# KiCad board URC.kicad_pcb
title: Universal Robot Controller; date: 2026-06-16; rev: 1.0; company: Spikonado; note: https://cern.ch/cern-oh; note: Licensed under CERN-OHL-W v2
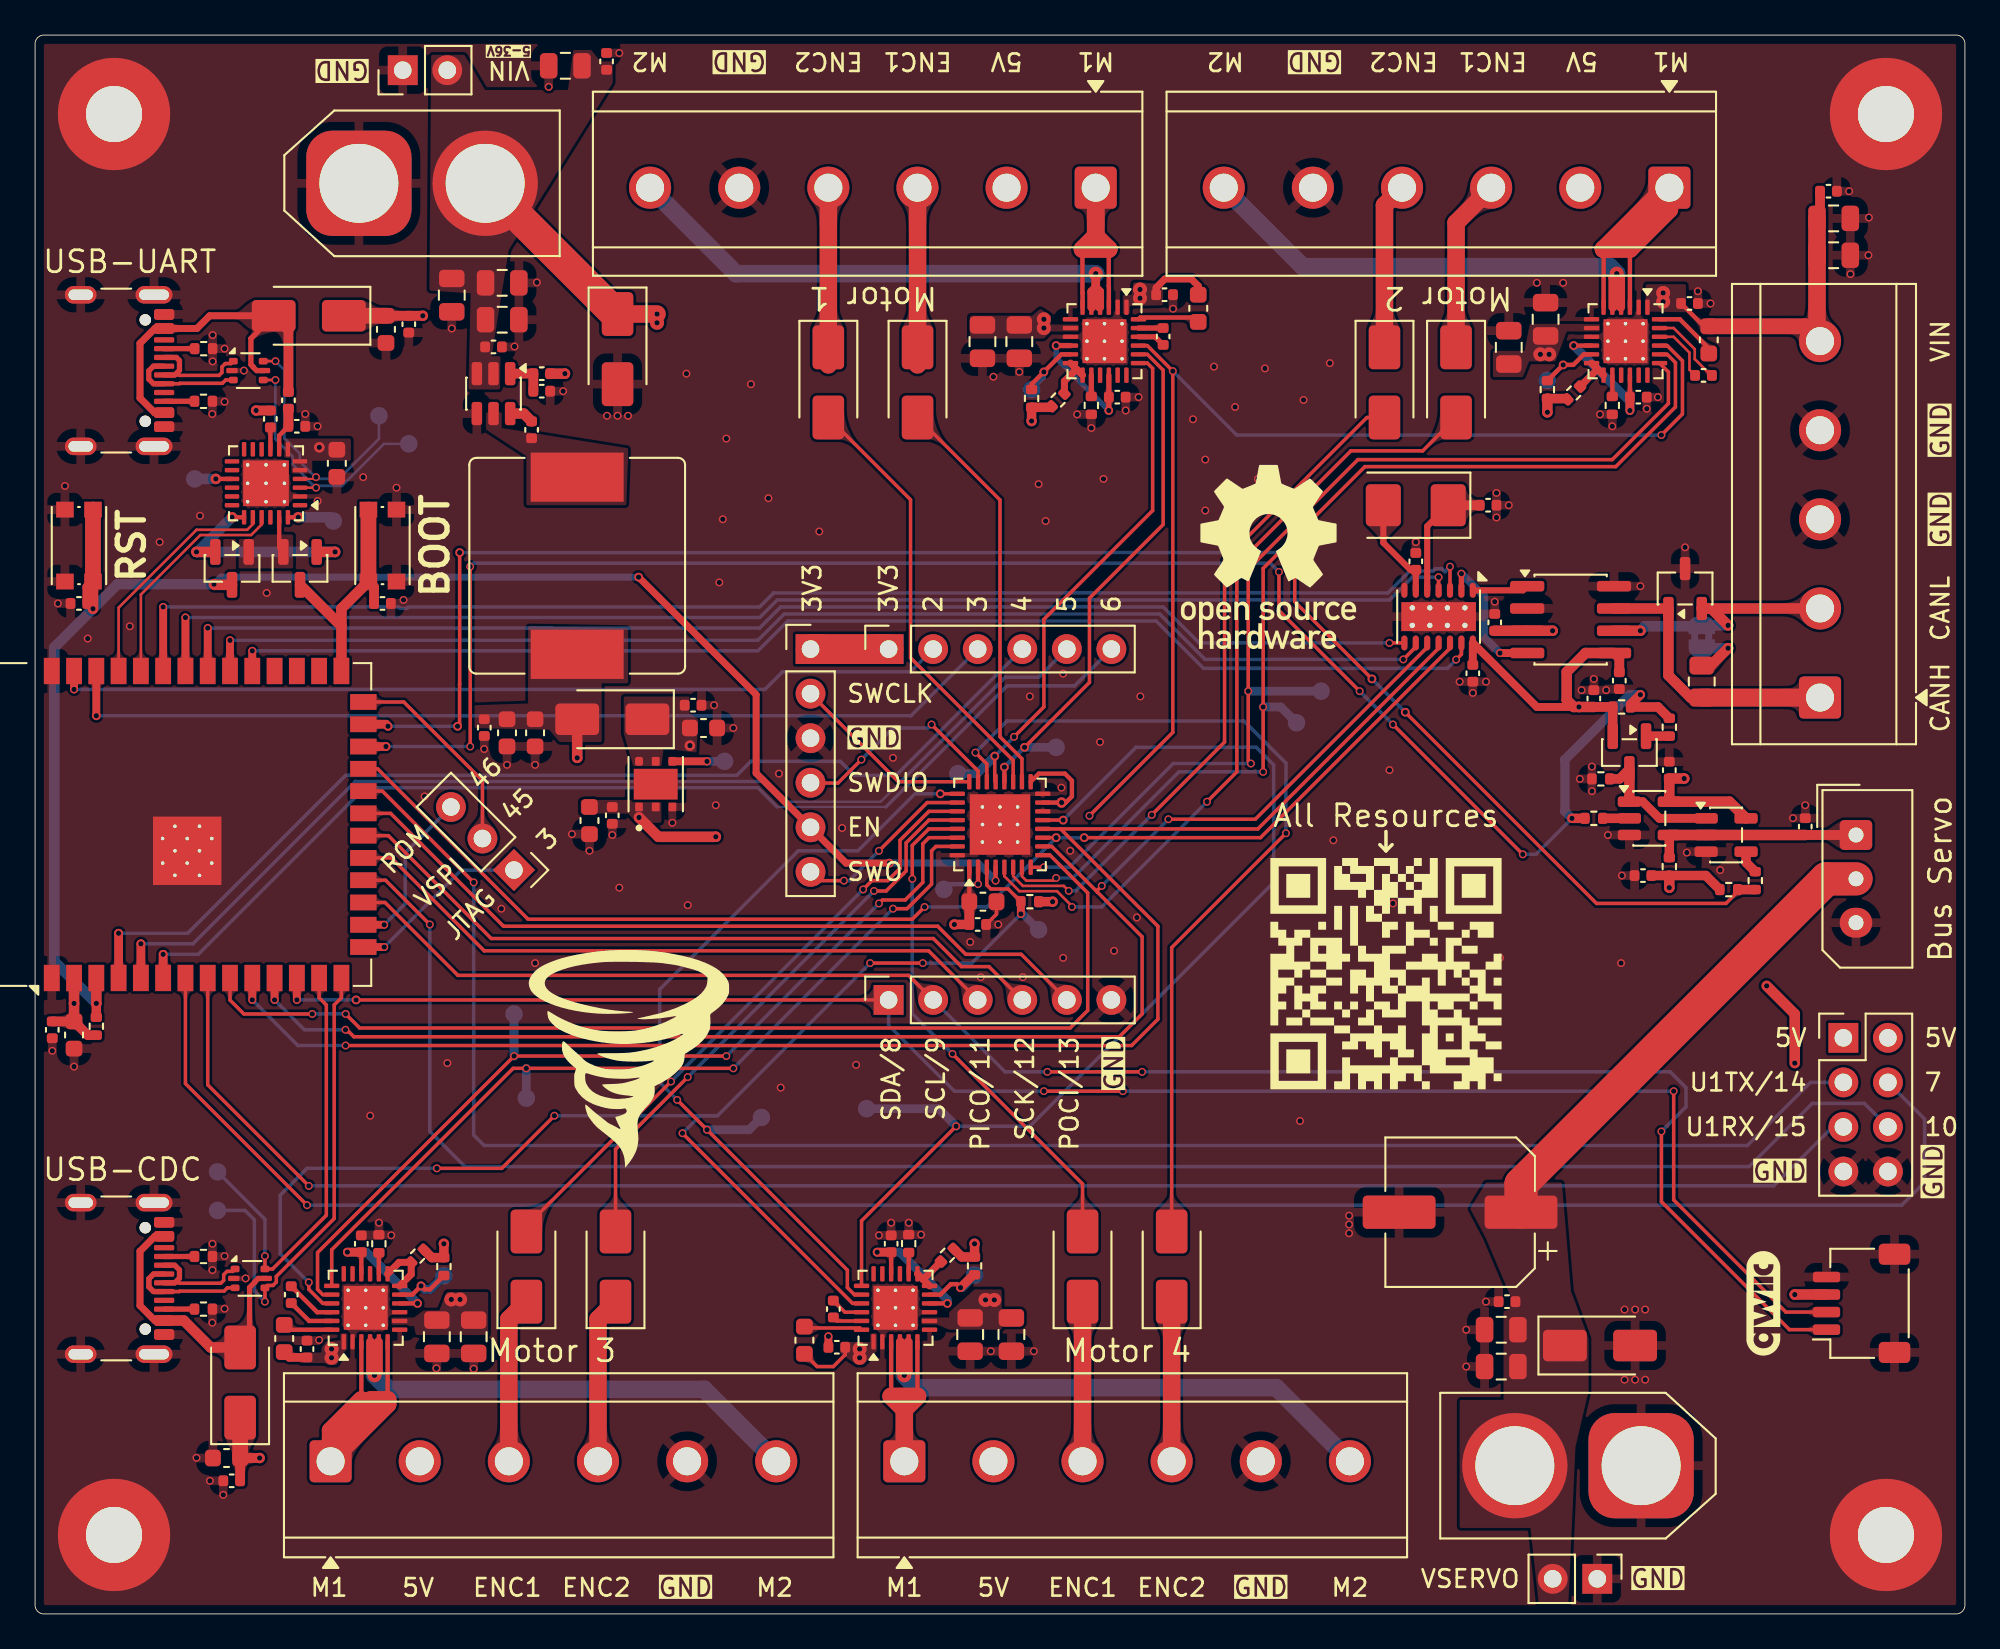
[diagram p0: board, top side]
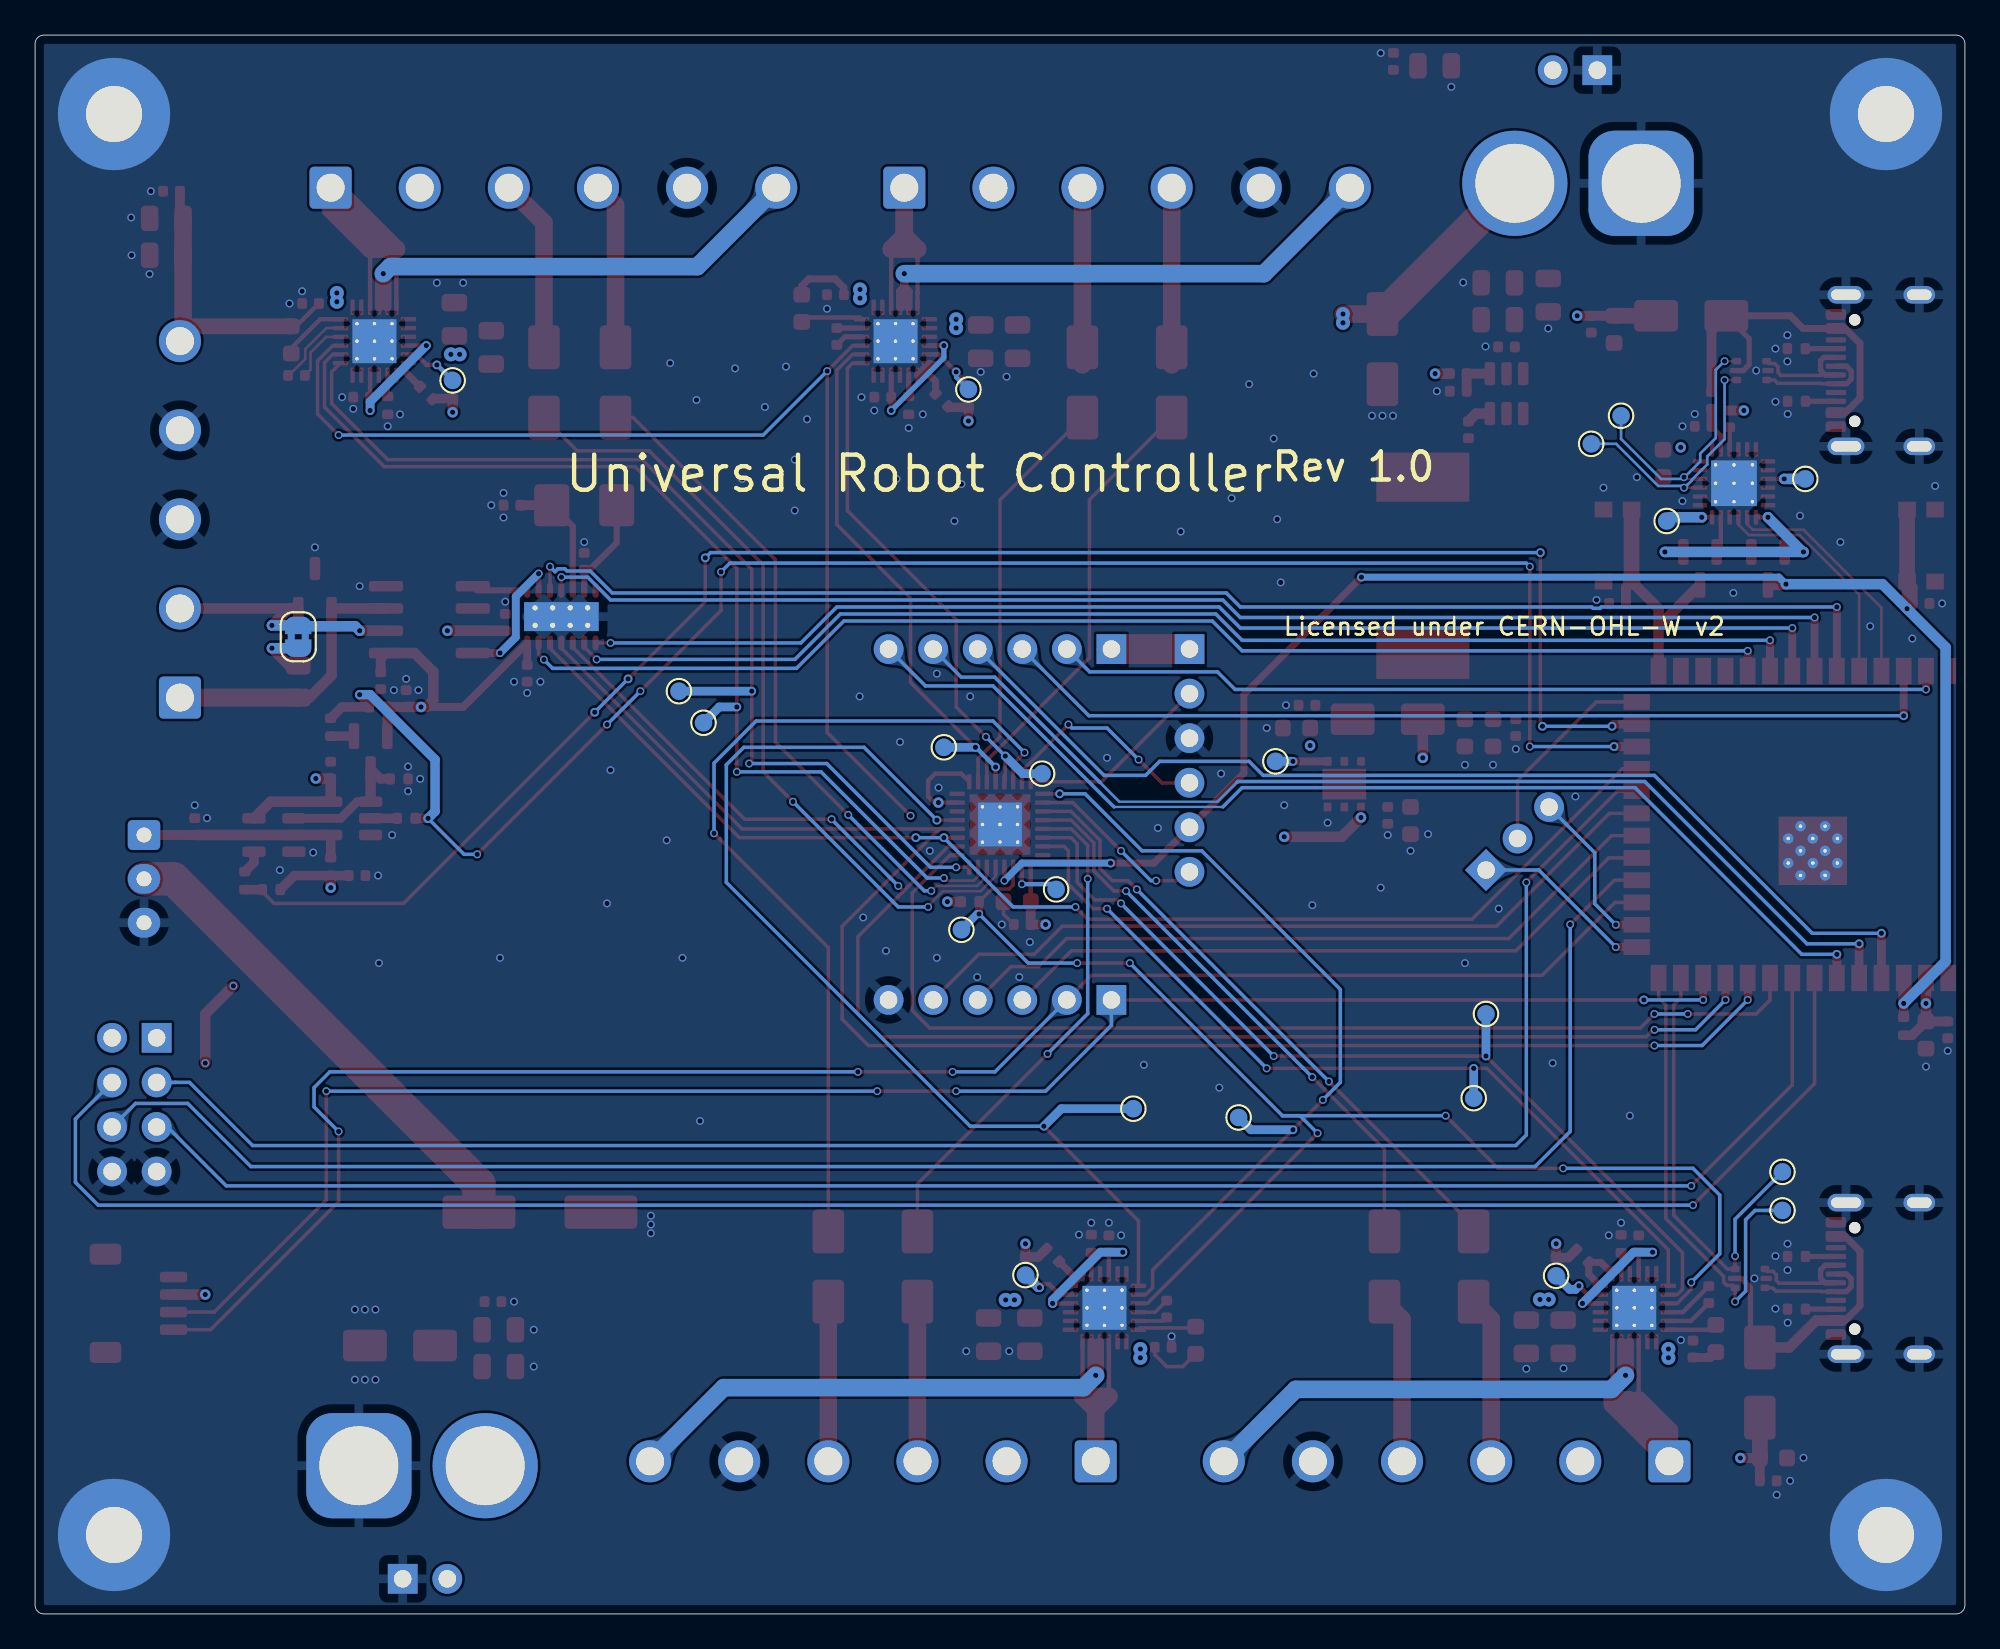
[diagram p1: board, bottom side, seen from below]

Outline 110 x 90 mm; copper layers: Top, In1.Cu, In2.Cu, Bottom. Coordinates in mm from the lower left corner of the outline.
Outline path: rectangle 0,90 110,0
Stack: Top 0.035mm / dielectric 0.1mm FR4 er 4.5 / In1.Cu 0.035mm / dielectric 1.24mm FR4 er 4.5 / In2.Cu 0.035mm / dielectric 0.1mm FR4 er 4.5 / Bottom 0.035mm

## Placement (name value [footprint] x y rotation side)
C1  10µF, 16V  [C_0603_1608Metric]  10.91 8.89 180 top
C2  100nF, 16V  [C_0402_1005Metric]  11.21 7.59 180 top
C3  10µF, 16V  [C_0603_1608Metric]  20 73.22 270 top
C4  100nF, 16V  [C_0402_1005Metric]  21.3 73.52 270 top
C5  10µF, 16V  [C_0603_1608Metric]  17.2 65.59 270 top
C6  10µF, 16V  [C_0603_1608Metric]  2.22 33 270 top
C7  100nF, 16V  [C_0402_1005Metric]  0.98 33.3 270 top
C8  100nF, 16V  [C_0402_1005Metric]  2.5 57.6 0 top
C9  100nF, 16V  [C_0402_1005Metric]  19.8 57.6 180 top
C10  4.7µF, 50V  [C_0805_2012Metric]  26.62 75.88 0 top
C11  4.7µF, 50V  [C_0805_2012Metric]  26.62 73.78 0 top
C12  100nF, 50V  [C_0402_1005Metric]  26.13 72.22 0 top
C13  100nF, 16V  [C_0402_1005Metric]  28.3 67.5 270 top
C14  10µF, 16V  [C_0603_1608Metric]  28.5 50.22 270 top
C15  10µF, 16V  [C_0603_1608Metric]  26.9 50.22 270 top
C16  100nF, 16V  [C_0402_1005Metric]  25.61 50.53 270 top
C17  10µF, 16V  [C_0603_1608Metric]  38.1 50.5 0 top
C18  10µF, 16V  [C_0603_1608Metric]  31.6 45.22 270 top
C19  100nF, 16V  [C_0402_1005Metric]  93.15 48.1 90 top
C20  100nF, 16V  [C_0402_1005Metric]  91.65 42.09 180 top
C21  10µF, 50V  [C_0805_2012Metric]  23.75 75.17 270 top
C22  10µF, 50V  [C_0805_2012Metric]  30.22 88.25 180 top
C23  100nF, 50V  [C_0402_1005Metric]  32.58 88.5 90 top
C24  10µF, 50V  [C_0805_2012Metric]  83.57 16.2 180 top
C25  10µF, 50V  [C_0805_2012Metric]  83.57 14.1 180 top
C26  100nF, 50V  [C_0402_1005Metric]  83.9 17.8 180 top
C27  470pF, 50V  [C_0402_1005Metric]  100.9 44.88 90 top
C28  100µF  [CP_Elec_8x6.9]  81.22 22.9 180 top
C29  100nF, 16V  [C_0402_1005Metric]  81.95 53.62 270 top
C30  10pF, 1%  [C_0402_1005Metric]  82.82 63.2 0 top
C31  10pF, 1%  [C_0402_1005Metric]  78.7 60 270 top
C32  100nF, 16V  [C_0402_1005Metric]  90.3 53.2 270 top
C33  100nF, 16V  [C_0402_1005Metric]  83.2 56.53 90 top
C34  10µF, 50V  [C_0805_2012Metric]  102.52 79.55 0 top
C35  10µF, 50V  [C_0805_2012Metric]  102.52 77.45 0 top
C36  100nF, 50V  [C_0402_1005Metric]  102.22 81.1 0 top
C37  100nF, 16V  [C_0402_1005Metric]  53.73 39.3 0 top
C38  10µF, 16V  [C_0603_1608Metric]  54.03 40.6 0 top
C39  22nF, 50V  [C_0402_1005Metric]  64.3 72.82 90 top
C40  220nF, 16V  [C_0603_1608Metric]  66.3 74.42 90 top
C41  100nF, 50V  [C_0402_1005Metric]  64.38 75.2 0 top
C42  10µF, 50V  [C_0805_2012Metric]  56.1 72.53 270 top
C43  10µF, 50V  [C_0805_2012Metric]  54 72.53 270 top
C44  470nF, 10V  [C_0402_1005Metric]  61.69 69.36 0 top
C45  10µF, 50V  [C_0805_2012Metric]  86.1 73.8 90 top
C46  10µF, 50V  [C_0805_2012Metric]  84 72.2 90 top
C47  100nF, 50V  [C_0402_1005Metric]  94.3 74.7 0 top
C48  22nF, 50V  [C_0402_1005Metric]  95.1 70.6 0 top
C49  220nF, 16V  [C_0603_1608Metric]  95.4 72.62 90 top
C50  470nF, 10V  [C_0402_1005Metric]  91.38 69.36 0 top
C51  10µF, 50V  [C_0805_2012Metric]  25 15.8 270 top
C52  10µF, 50V  [C_0805_2012Metric]  22.9 15.8 270 top
C53  100nF, 50V  [C_0402_1005Metric]  15.5 15.1 90 top
C54  22nF, 50V  [C_0402_1005Metric]  14.6 18.2 270 top
C55  220nF, 16V  [C_0603_1608Metric]  14.2 15.7 270 top
C56  470nF, 10V  [C_0402_1005Metric]  18.59 21.1 90 top
C57  10µF, 50V  [C_0805_2012Metric]  53.3 15.93 270 top
C58  10µF, 50V  [C_0805_2012Metric]  55.65 15.93 270 top
C59  100nF, 50V  [C_0402_1005Metric]  45.7 15.2 180 top
C60  22nF, 50V  [C_0402_1005Metric]  45.5 17.38 270 top
C61  220nF, 16V  [C_0603_1608Metric]  43.85 15.6 270 top
C62  470nF, 10V  [C_0402_1005Metric]  48.79 21.1 90 top
C63  100nF, 16V  [C_0402_1005Metric]  37.5 51.8 0 top
C64  100nF, 16V  [C_0402_1005Metric]  32.9 45.52 270 top
C65  100nF, 16V  [C_0402_1005Metric]  88.85 52.18 90 top
D1  SS14  [D_SMA]  11.69 13.19 90 top
D2  SS14  [D_SMA]  15.6 74 180 top
D3  SS14  [D_SMA]  32.9 51 180 top
D5  SS14  [D_SMA]  33.2 72.1 270 top
D6  D_TVS_Dual_AAC  [SOT-23-3]  94.05 58.45 90 top
D7  SS14  [D_SMA]  50.3 70.2 270 top
D8  SS14  [D_SMA]  45.22 70.2 270 top
D9  SS14  [D_SMA]  81 70.2 270 top
D10  SS14  [D_SMA]  76.91 70.2 270 top
D11  SS14  [D_SMA]  28 19.8 90 top
D12  SS14  [D_SMA]  33.09 19.8 90 top
D13  SS14  [D_SMA]  59.71 19.8 90 top
D14  SS14  [D_SMA]  64.78 19.8 90 top
D16  SS14  [D_SMA]  89.2 15.3 0 top
G***  -  [LOGO]  70.3 60.25 0 top
G***#2  LOGO  [qwiic_6mm]  98.5 17.7 90 top
G***#3  -  [LOGO]  77 36.5 0 top
G***#4  -  [LOGO]  33.78 31.6 0 top
H1  MountingHole_Pad  [MountingHole_3.2mm_M3_Pad]  4.5 85.5 0 top
H2  MountingHole_Pad  [MountingHole_3.2mm_M3_Pad]  105.5 85.5 0 top
H3  MountingHole_Pad  [MountingHole_3.2mm_M3_Pad]  4.5 4.5 0 top
H4  MountingHole_Pad  [MountingHole_3.2mm_M3_Pad]  105.5 4.5 0 top
J1  USB_C_Receptacle_USB2.0_16P  [USB_C_Receptacle_GCT_USB4105-xx-A_16P_TopMnt_Horizontal]  3.67 19.12 270 top
J2  USB_C_Receptacle_USB2.0_16P  [USB_C_Receptacle_GCT_USB4105-xx-A_16P_TopMnt_Horizontal]  3.67 70.88 270 top
J3  Conn_01x02_Socket  [AMASS_XT60-M_1x02_P7.20mm_Vertical]  18.45 81.55 0 top
J4  Conn_01x02_Socket  [PinHeader_1x02_P2.54mm_Vertical]  20.95 88 90 top
J5  Conn_01x02_Socket  [PinHeader_1x02_P2.54mm_Vertical]  89.04 2 270 top
J6  Conn_01x02_Socket  [AMASS_XT60-M_1x02_P7.20mm_Vertical]  91.54 8.45 180 top
J7  5267-03A  [Molex_SPOX_5267-03A_1x03_P2.50mm_Vertical]  103.79 44.4 270 top
J8  Screw_Terminal_01x05  [TerminalBlock_CUI_TB007-508-05_1x05_P5.08mm_Horizontal]  101.74 52.23 90 top
J9  Conn_01x06_Pin  [PinHeader_1x06_P2.54mm_Vertical]  44.2 55 0 top
J10  Screw_Terminal_01x06  [TerminalBlock_CUI_TB007-508-06_1x06_P5.08mm_Horizontal]  60.46 81.3 180 top
J11  Screw_Terminal_01x06  [TerminalBlock_CUI_TB007-508-06_1x06_P5.08mm_Horizontal]  93.16 81.3 180 top
J12  Screw_Terminal_01x06  [TerminalBlock_CUI_TB007-508-06_1x06_P5.08mm_Horizontal]  16.84 8.7 0 top
J13  Screw_Terminal_01x06  [TerminalBlock_CUI_TB007-508-06_1x06_P5.08mm_Horizontal]  49.54 8.7 0 top
J14  Conn_02x04_Odd_Even  [PinHeader_2x04_P2.54mm_Vertical]  103.07 32.84 0 top
J15  Conn_01x04_MountingPin  [JST_SH_SM04B-SRSS-TB_1x04-1MP_P1.00mm_Horizontal]  104.11 17.7 90 top
J16  Conn_01x06_Socket  [PinSocket_1x06_P2.54mm_Vertical]  48.65 55 90 top
J17  Conn_01x06_Socket  [PinSocket_1x06_P2.54mm_Vertical]  48.65 35 90 top
J18  Conn_01x03_Pin  [PinHeader_1x03_P2.54mm_Vertical]  27.3 42.4 225 top
JP1  SolderJumper_2_Bridged  [SolderJumper-2_P1.3mm_Bridged2Bar_RoundedPad1.0x1.5mm]  95 55.7 270 bottom
L1  3.3 µH  [L_Bourns_SRR1210A]  30.9 59.75 270 top
Q1  MMBT3904  [SOT-23]  11.22 59.6 270 top
Q2  MMBT3904  [SOT-23]  15.1 59.6 270 top
Q3  MMBT3906LT1G  [SOT-23]  90.88 49.1 270 top
R1  5.1 kΩ, 0.1%  [R_0402_1005Metric]  9.6 20.38 180 top
R2  5.1 kΩ, 0.1%  [R_0402_1005Metric]  9.6 17.38 180 top
R3  5.1 kΩ, 0.1%  [R_0402_1005Metric]  9.61 72.12 180 top
R4  5.1 kΩ, 0.1%  [R_0402_1005Metric]  9.6 69.12 180 top
R5  1 kΩ, 5%  [C_0402_1005Metric]  13.41 68.12 270 top
R6  22.1 kΩ, 1%  [C_0402_1005Metric]  14.44 69.18 270 top
R7  47.5 kΩ, 1%  [C_0402_1005Metric]  14.92 67.7 0 top
R8  10kΩ, 5%  [R_0402_1005Metric]  3.49 33.5 270 top
R9  100kΩ, 0.1%  [C_0402_1005Metric]  28.88 70.7 180 top
R10  19.1 kΩ, 0.1%  [C_0402_1005Metric]  28.88 69.7 0 top
R11  10kΩ, 5%  [R_0402_1005Metric]  93.15 42.6 270 top
R12  10kΩ, 5%  [R_0402_1005Metric]  93.15 50.55 270 top
R13  20kΩ, 5%  [R_0402_1005Metric]  89.25 47.6 180 top
R14  100Ω, 5%  [R_0402_1005Metric]  98.05 41.8 90 top
R15  10kΩ, 5%  [R_0402_1005Metric]  96.54 41.29 180 top
R16  100Ω, 5%  [R_0402_1005Metric]  88.85 45.35 180 top
R17  10kΩ, 5%  [R_0402_1005Metric]  90.44 51.7 180 top
R18  120Ω, 5%  [R_0805_2012Metric]  95 53.15 90 top
R19  10kΩ, 5%  [R_0402_1005Metric]  56.8 69.29 270 top
R20  10kΩ, 5%  [R_0402_1005Metric]  58.31 69.2 225 top
R21  330kΩ, 5%  [R_0402_1005Metric]  60.21 68.89 90 top
R22  330kΩ, 5%  [R_0402_1005Metric]  89.9 68.89 90 top
R23  10kΩ, 5%  [R_0402_1005Metric]  86.2 69.79 270 top
R24  10kΩ, 5%  [R_0402_1005Metric]  87.7 69.6 225 top
R25  330kΩ, 5%  [R_0402_1005Metric]  19.59 21.1 270 top
R26  10kΩ, 5%  [R_0402_1005Metric]  23.3 19.8 90 top
R27  10kΩ, 5%  [R_0402_1005Metric]  21.8 20.4 45 top
R28  330kΩ, 5%  [R_0402_1005Metric]  49.79 21.11 270 top
R29  10kΩ, 5%  [R_0402_1005Metric]  53.55 19.84 90 top
R30  10kΩ, 5%  [R_0402_1005Metric]  52 20.45 45 top
R31  10kΩ, 5%  [R_0402_1005Metric]  56.7 40.6 0 top
SW1  SW_Push  [SW_Push_1P1T_NO_CK_KMR2]  2.5 60.9 90 top
SW2  SW_Push  [SW_Push_1P1T_NO_CK_KMR2]  19.8 60.9 270 top
TP1  TestPoint  [TestPoint_Pad_D1.0mm]  9.1 64.7 180 bottom
TP2  TestPoint  [TestPoint_Pad_D1.0mm]  17 62.3 180 bottom
TP3  TestPoint  [TestPoint_Pad_D1.0mm]  10.4 25.2 180 bottom
TP4  TestPoint  [TestPoint_Pad_D1.0mm]  10.4 23 180 bottom
TP5  TestPoint  [TestPoint_Pad_D1.0mm]  19.6 68.3 180 bottom
TP6  TestPoint  [TestPoint_Pad_D1.0mm]  21.3 66.7 180 bottom
TP7  TestPoint  [TestPoint_Pad_D1.0mm]  39.3 48.6 180 bottom
TP9  TestPoint  [TestPoint_Pad_D1.0mm]  57.2 39 180 bottom
TP10  TestPoint  [TestPoint_Pad_D1.0mm]  51.8 41.3 180 bottom
TP11  TestPoint  [TestPoint_Pad_D1.0mm]  58.2 49.4 180 bottom
TP12  TestPoint  [TestPoint_Pad_D1.0mm]  52.6 47.9 180 bottom
TP13  TestPoint  [TestPoint_Pad_D1.0mm]  71.9 50.8 180 bottom
TP14  TestPoint  [TestPoint_Pad_D1.0mm]  56.8 69.8 180 bottom
TP15  TestPoint  [TestPoint_Pad_D1.0mm]  86.2 70.31 180 bottom
TP16  TestPoint  [TestPoint_Pad_D1.0mm]  23.3 19.28 180 bottom
TP17  TestPoint  [TestPoint_Pad_D1.0mm]  53.55 19.31 180 bottom
TP18  TestPoint  [TestPoint_Pad_D1.0mm]  73.3 52.6 180 bottom
TP19  TestPoint  [TestPoint_Pad_D1.0mm]  27.3 34.2 180 bottom
TP20  TestPoint  [TestPoint_Pad_D1.0mm]  28 29.4 180 bottom
TP21  TestPoint  [TestPoint_Pad_D1.0mm]  41.4 28.3 180 bottom
TP22  TestPoint  [TestPoint_Pad_D1.0mm]  47.4 28.8 180 bottom
U1  USBLC6-2P6  [SOT-666]  12.25 19.13 0 top
U2  USBLC6-2P6  [SOT-666]  12.15 70.88 0 top
U3  CP2102N-A02-GQFN24  [QFN-24-1EP_4x4mm_P0.5mm_EP2.6x2.6mm_ThermalVias]  13.16 64.45 180 top
U4  -  [ESP32-S3-WROOM-1]  6.21 45 90 top
U5  LMR51635YDDCR  [TSOT-23-6]  26.13 69.56 270 top
U6  -  [LD39200PU33R]  35.38 47.3 90 top
U7  SN74LVC1G125DBV  [SOT-23-5]  96.39 44.4 0 top
U8  SN74LVC1G126DBV  [SOT-23-5]  92.01 45.35 0 top
U9  MCP2518FD-xQBB  [DFN-14-1EP_3x4.5mm_P0.65mm_EP1.65x4.25mm_ThermalVias]  80 56.85 270 top
U10  MCP2562-E-SN  [SOIC-8_3.9x4.9mm_P1.27mm]  87.53 56.68 0 top
U11  STM32G431KBU6  [QFN-32-1EP_5x5mm_P0.5mm_EP3.45x3.45mm_ThermalVias]  55 45 90 top
U12  DRV8256PRGER  [VQFN-24-1EP_4x4mm_P0.5mm_EP2.5x2.5mm_ThermalVias]  60.96 72.55 270 top
U13  DRV8256PRGER  [VQFN-24-1EP_4x4mm_P0.5mm_EP2.5x2.5mm_ThermalVias]  90.66 72.55 270 top
U14  DRV8256PRGER  [VQFN-24-1EP_4x4mm_P0.5mm_EP2.5x2.5mm_ThermalVias]  18.84 17.45 90 top
U15  DRV8256PRGER  [VQFN-24-1EP_4x4mm_P0.5mm_EP2.5x2.5mm_ThermalVias]  49.04 17.45 90 top
Y1  40 MHz  [Crystal_SMD_5032-2Pin_5.0x3.2mm]  78.7 63.2 180 top

## Library data of the parts
C1 C3 C5 C6 C14 C15 C17 C18 C38 = -: Datasheet: https://search.murata.co.jp/Ceramy/image/img/A01X/G101/ENG/GRT188R61C106KE13-01.pdf; Description: Unpolarized capacitor; KiLib_Generator: SMD_2terminal_chip_molded; Manufacturer: Murata Electronics; MPN: GRT188R61C106KE13D; ki_fp_filters: C_*
C2 C4 C7-C9 C13 C16 C19 C20 C29 C32 C33 C37 C63-C65 = -: Datasheet: https://weblib.samsungsem.com/mlcc/mlcc-ec-data-sheet.do?partNumber=CL05B104KO5NNN; Description: Unpolarized capacitor; KiLib_Generator: SMD_2terminal_chip_molded; Manufacturer: Samsung Electro-Mechanics; MPN: CL05B104KO5NNNC; ki_fp_filters: C_*
C10 C11 = -: Datasheet: https://search.murata.co.jp/Ceramy/image/img/A01X/G101/ENG/GRT21BR61H475KE13-01.pdf; Description: Unpolarized capacitor; KiLib_Generator: SMD_2terminal_chip_molded; Manufacturer: Murata Electronics; MPN: GRT21BR61H475KE13L; ki_fp_filters: C_*
C12 C23 C26 C36 C41 C47 C53 C59 = -: Datasheet: https://search.murata.co.jp/Ceramy/image/img/A01X/G101/ENG/GRM155R61H104KE14-01.pdf; Description: Unpolarized capacitor; KiLib_Generator: SMD_2terminal_chip_molded; Manufacturer: Murata Electronics; MPN: GRM155R61H104KE14D; ki_fp_filters: C_*
C21 C22 C24 C25 C34 C35 C42 C43 C45 C46 C51 C52 C57 C58 = -: Datasheet: https://search.murata.co.jp/Ceramy/image/img/A01X/G101/ENG/GRM21BR61H106KE43-01A.pdf; Description: Unpolarized capacitor; KiLib_Generator: SMD_2terminal_chip_molded; Manufacturer: Murata Electronics; MPN: GRM21BR61H106KE43L; ki_fp_filters: C_*
C27 = -: Datasheet: https://yageogroup.com/content/datasheet/asset/file/UPY-GPHC_X7R_6_3V-TO-250V; Description: Unpolarized capacitor; KiLib_Generator: SMD_2terminal_chip_molded; Manufacturer: YAGEO; MPN: CC0402KRX7R9BB471; ki_fp_filters: C_*
C28 = -: Datasheet: https://yageogroup.com/content/datasheet/asset/file/KEM_A4088_A768; Description: Polarized capacitor; KiLib_Generator: capacitor/SMD/elec_round_polarized; Manufacturer: KEMET; MPN: A768KE107M1VLAS036; ki_fp_filters: CP_*
C30 C31 = -: Datasheet: https://search.murata.co.jp/Ceramy/image/img/A01X/G101/ENG/GRT1555C1H100FA02-01.pdf; Description: Unpolarized capacitor; KiLib_Generator: SMD_2terminal_chip_molded; Manufacturer: Murata Electronics; MPN: GRT1555C1H100FA02D; ki_fp_filters: C_*
C39 C48 C54 C60 = -: Datasheet: https://search.murata.co.jp/Ceramy/image/img/A01X/G101/ENG/GRM155R71H223JA12-01A.pdf; Description: Unpolarized capacitor; KiLib_Generator: SMD_2terminal_chip_molded; Manufacturer: Murata Electronics; MPN: GRM155R71H223JA12D; ki_fp_filters: C_*
C40 C49 C55 C61 = -: Datasheet: https://mm.digikey.com/Volume0/opasdata/d220001/medias/docus/920/CL10B224KO8NNNC_Spec.pdf; Description: Unpolarized capacitor; KiLib_Generator: SMD_2terminal_chip_molded; Manufacturer: Samsung Electro-Mechanics; MPN: CL10B224KO8NNNC; ki_fp_filters: C_*
C44 C50 C56 C62 = -: Datasheet: https://search.murata.co.jp/Ceramy/image/img/A01X/G101/ENG/GRM155R71A474KE01-01.pdf; Description: Unpolarized capacitor; KiLib_Generator: SMD_2terminal_chip_molded; Manufacturer: Murata Electronics; MPN: GRM155R71A474KE01D; ki_fp_filters: C_*
D1-D3 D5 D7-D14 D16 = -: Datasheet: https://www.onsemi.com/pdf/datasheet/ss19-d.pdf; Description: Schottky diode; Manufacturer: onsemi; ki_fp_filters: TO-???* *_Diode_* *SingleDiode* D_*
D6 = -: Datasheet: https://www.onsemi.com/pdf/datasheet/nup2105l-d.pdf; Description: Bidirectional dual transient-voltage-suppression diode, center on pin 3; KiLib_Generator: package/gullwing; Manufacturer: onsemi; MPN: NUP2105LT1G
H1-H4 = -: Description: Mounting Hole with connection; KiLib_Generator: mounting_hardware/mounting_hole; ki_fp_filters: MountingHole*Pad*
J1 J2 = -: Datasheet: https://gct.co/files/specs/usb4105-spec.pdf; Description: USB 2.0-only 16P Type-C Receptacle connector; Manufacturer: GCT; MPN: USB4105-GF-A; ki_fp_filters: USB*C*Receptacle*
J3 J6 = -: Description: Generic connector, single row, 01x02, script generated; Manufacturer: Changzhou Amass Elec; MPN: XT60-M; ki_fp_filters: Connector*:*_1x??_*
J4 J5 = -: Datasheet: https://suddendocs.samtec.com/catalog_english/td.pdf; Description: Generic connector, single row, 01x02, script generated; KiLib_Generator: connector/pin_header_socket; Manufacturer: Samtec Inc.; MPN: TS-102-T-A; ki_fp_filters: Connector*:*_1x??_*
J7 = -: Datasheet: https://www.molex.com/en-us/products/part-detail-pdf/22035035?display=pdf; Description: Generic connector, single row, 01x03, script generated; KiLib_Generator: connector/Molex; Manufacturer: Molex; MPN: 22-03-5035; ki_fp_filters: Connector*:*_1x??_*
J8 = -: Datasheet: https://www.sameskydevices.com/product/resource/tb007-508.pdf; Description: Generic screw terminal, single row, 01x05, script generated (kicad-library-utils/schlib/autogen/connector/); KiLib_Generator: terminal_block/CUI; Manufacturer: Same Sky; MPN: TB007-508-05BE; ki_fp_filters: TerminalBlock*:*
J9 = -: Datasheet: https://www.te.com/usa-en/product-5-146278-6.datasheet.pdf; Description: Generic connector, single row, 01x06, script generated; KiLib_Generator: connector/pin_header_socket; Manufacturer: TE Connectivity AMP Connectors; MPN: 5-146278-6; ki_fp_filters: Connector*:*_1x??_*
J10-J13 = -: Datasheet: https://www.sameskydevices.com/product/resource/tb007-508.pdf; Description: Generic screw terminal, single row, 01x06, script generated (kicad-library-utils/schlib/autogen/connector/); KiLib_Generator: terminal_block/CUI; Manufacturer: Same Sky; MPN: TB007-508-06BE; ki_fp_filters: TerminalBlock*:*
J14 = -: Datasheet: https://content.harwin.com/m/847482046069c548/original/PD008-Product-Datasheet-INDESS-range-M20-and-M22-BBi.pdf; Description: Generic connector, double row, 02x04, odd/even pin numbering scheme (row 1 odd numbers, row 2 even numbers), script generated (kicad-library-utils/schlib/autogen/connector/); KiLib_Generator: connector/pin_header_socket; Manufacturer: Harwin Inc.; MPN: M20-7830446; ki_fp_filters: Connector*:*_2x??_*
J15 = -: Datasheet: https://www.jst-mfg.com/product/pdf/eng/eSH.pdf; Description: Generic connectable mounting pin connector, single row, 01x04, script generated (kicad-library-utils/schlib/autogen/connector/); KiLib_Generator: connector/SMD_single_row_plus_mounting_pad; Manufacturer: JST; MPN: SM04B-SRSS-TB; ki_fp_filters: Connector*:*_1x??-1MP*
J16 J17 = -: Datasheet: https://www.te.com/commerce/DocumentDelivery/DDEController?Action=srchrtrv&DocNm=534237&DocType=Customer+Drawing&DocLang=English; Description: Generic connector, single row, 01x06, script generated; KiLib_Generator: connector/pin_header_socket; Manufacturer: TE Connectivity AMP Connectors; MPN: 5-534237-4; ki_fp_filters: Connector*:*_1x??_*
J18 = -: Datasheet: https://suddendocs.samtec.com/catalog_english/td.pdf; Description: Generic connector, single row, 01x03, script generated; KiLib_Generator: connector/pin_header_socket; Manufacturer: Samtec Inc.; MPN: TS-103-T-A; ki_fp_filters: Connector*:*_1x??_*
JP1 = -: Description: Solder Jumper, 2-pole, closed/bridged; ki_fp_filters: SolderJumper*Bridged*
L1 = -: Datasheet: https://www.bourns.com/docs/Product-Datasheets/SRR1210.pdf; Description: Inductor; Manufacturer: Bourns; MPN: SRR1210-3R3Y; ki_fp_filters: Choke_* *Coil* Inductor_* L_*
Q1 Q2 = -: Datasheet: https://www.onsemi.com/pdf/datasheet/pzt3904-d.pdf; Description: 0.2A Ic, 40V Vce, Small Signal NPN Transistor, SOT-23; KiLib_Generator: package/gullwing; Sim.Device: NPN; Sim.Pins: 1=B 2=E 3=C; Manufacturer: onsemi; MPN: MMBT3904LT1G; ki_fp_filters: SOT?23*
Q3 = -: Datasheet: https://www.onsemi.com/pdf/datasheet/mmbt3906lt1-d.pdf; Description: -0.2A Ic, -40V Vce, Small Signal PNP Transistor, SOT-23; KiLib_Generator: package/gullwing; Sim.Device: PNP; Sim.Pins: 1=B 2=E 3=C; Manufacturer: onsemi; ki_fp_filters: SOT?23*
R1-R4 = -: Datasheet: https://industrial.panasonic.com/cdbs/www-data/pdf/RDM0000/AOA0000C307.pdf; Description: Resistor; KiLib_Generator: SMD_2terminal_chip_molded; Manufacturer: Panasonic; MPN: ERA-2AEB512X; ki_fp_filters: R_*